# Altium PCB S7CAS-PLEIADES-CARTE-FILLE_P02.PcbDoc (part 3 of 3)
Units mil, origin at the board's own origin, x right, y up, seen from the top; angles counter-clockwise.
Board outline 3010 x 2715 mil, 10 copper layers (SIGNAL_TOP, GND, INNER_SIGNAL_3, GND (Plane2), 3V3, SPLIT_POWER, GND (Plane5), INNER_SIGNAL_8, GND (Plane6), SIGNAL_BOTTOM), stack 56.5 mil thick; 168 components, 138 nets, 887 pads, 482 vias.
Unrouted connection lines stored in the file: 10.
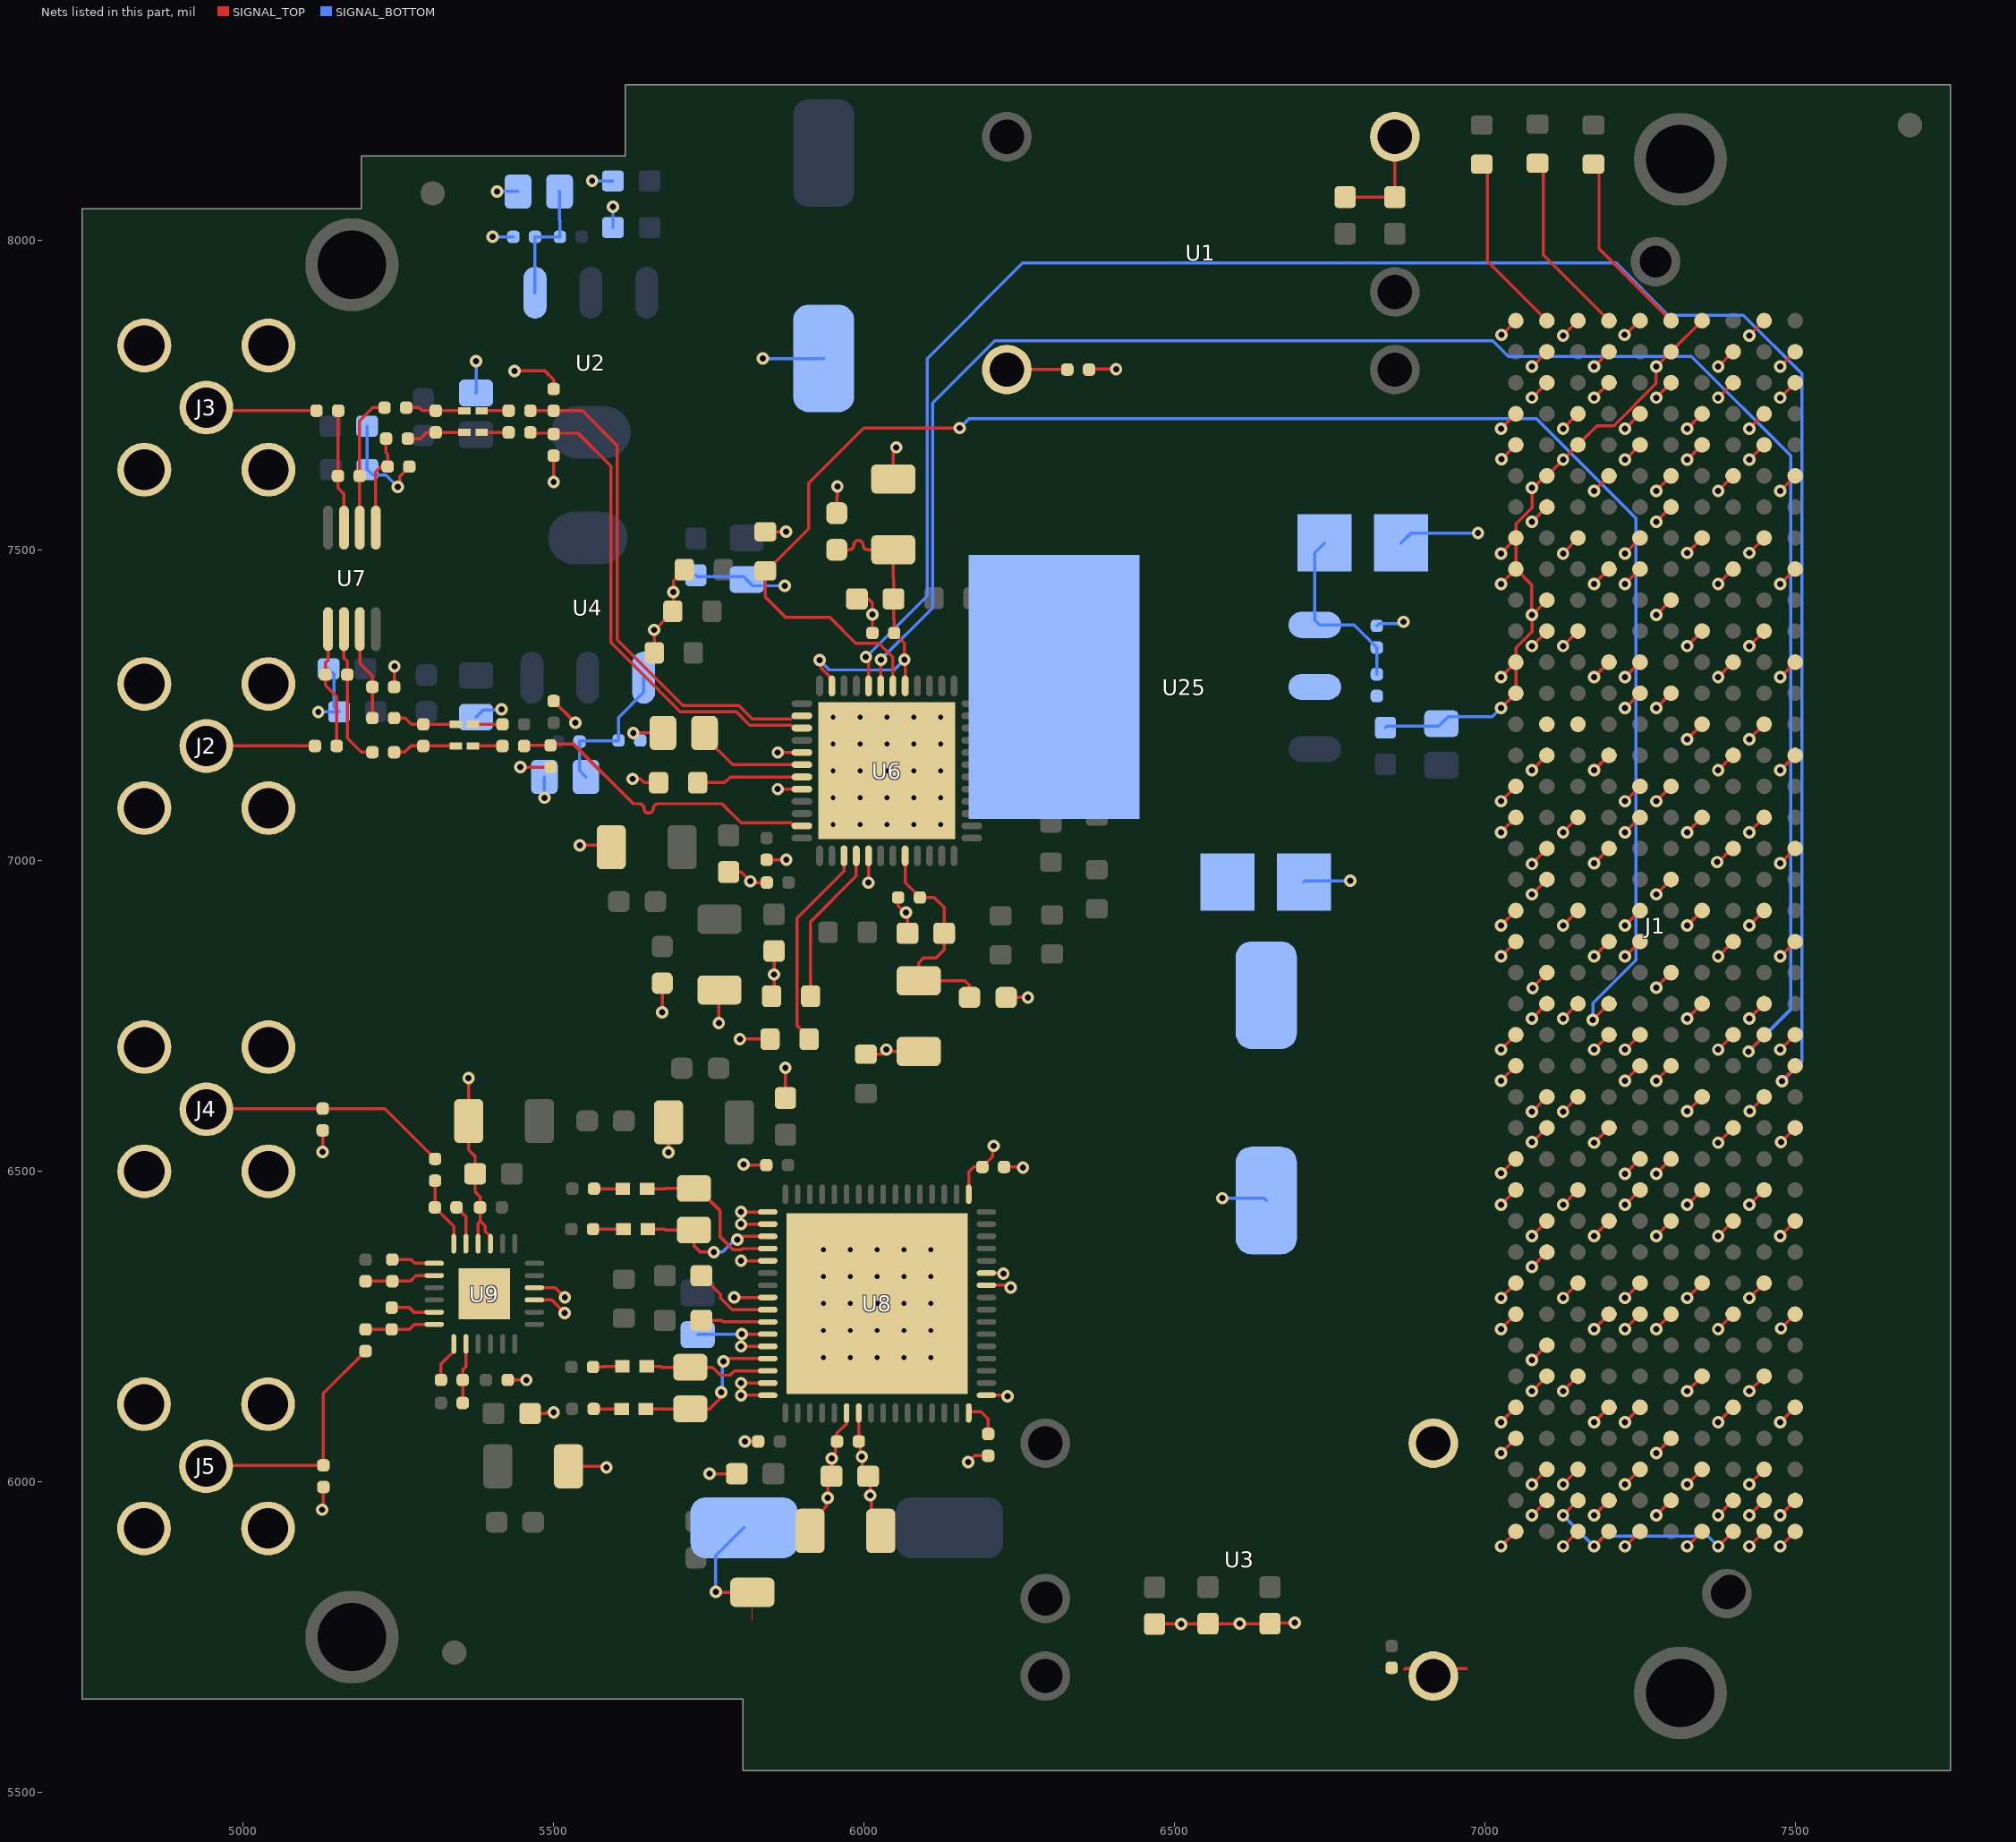
[diagram p11: the nets of this part, all layers, seen from the top]

## Via types
v1: diameter 20/20/20/20 (per signal layer), hole 10, SIGNAL_TOP to SIGNAL_BOTTOM, 426 vias
v2: diameter 19.68, hole 7.87, SIGNAL_TOP to SIGNAL_BOTTOM, 55 vias
v3: diameter 20, hole 10, SIGNAL_TOP to SIGNAL_BOTTOM, 1 vias

## Nets (pads, with @x,y where several pads share a name; then routed paths per layer and width w, separated by ;. In a path a pad name is that pad's centre, name@x,y a point inside that pad or via, vN(x,y) a via of type N, cw(c..) or ccw(c..) an arc to the next point about the centre after c; other vN are vias at no path point) (continued)
DAC_RAIL_I_P: R21.2 R33.1 U6.47 | length 521.3
  SIGNAL_TOP w5: R21.2@5452.5,7185 5453.5,7186 R33.1@5495,7186 5495,7187.89 5532.13,7187.89 5628.02,7092 5638.02,7092 cw(c5638.02,7084.5) 5645.52,7084.5 ccw(c5653.02,7084.5) 5660.52,7084.5 cw(c5668.02,7084.5) 5668.02,7092 5771.21,7092 5801.95,7061.26 5882.72,7061.26 5887.56,7056.42 U6.47@5899.88,7056.42
DAC_RAIL_Q_N: R40.2 R42.1 U6.39 | length 805.3
  SIGNAL_TOP w5: R40.2@5462.5,7690 5463.75,7688.75 5498.75,7688.75 R42.1@5500,7687.5 5505.34,7692.84 5509.43,7688.75 5539.25,7688.75 5592.42,7635.58 5592.42,7351.79 5704.21,7240 5794.34,7240 5815.6,7218.74 5882.72,7218.74 5887.56,7213.9 U6.39@5899.88,7213.9
DAC_RAIL_Q_P: R36.2 R43.1 U6.38 | length 828.1
  SIGNAL_TOP w5: R36.2@5462.5,7725 R43.1@5500,7725 5546,7725 5602.42,7668.58 5602.42,7355.93 5708.35,7250 5798.49,7250 5819.75,7228.74 5882.72,7228.74 5887.56,7233.58 U6.38@5899.88,7233.58
DAC_SCLK: J1.k25 U6.32 | length 3297.6
  SIGNAL_TOP w5: U6.32@6007.17,7281.81 6007.17,7320.07 6005.87,7321.36 6005.87,7322.7 v1@6007.17,7324 ; v1(7479,6645) 7479,6647 7500,6668 J1.k25@7500,6670
  SIGNAL_BOTTOM w5: v1(6003,7328.29) 6101.56,7426.86 6101.56,7808.87 6255.41,7962.72 7211.52,7962.72 7295.52,7878.72 7416.61,7878.72 7510.5,7784.83 7510.5,6676.5 v1(7479,6645)
DAC_SDIO: J1.j24 U6.31 | length 3015.8
  SIGNAL_TOP w5: U6.31@6027,7281.96 U6.31@6026.85,7281.81 6026.85,7323.85 v1(6027,7324) ; v1(7425,6693) 7425,6694 7450,6719 J1.j24@7450,6720
  SIGNAL_BOTTOM w5: v1(6027,7324) 6110.56,7407.56 6110.56,7737.55 6210.74,7837.72 7012.94,7837.72 7038.17,7812.5 7332.83,7812.5 7492.5,7652.83 7492.5,6760.5 v1(7425,6693)
DAC_TXENABLE: J1.d23 R25.2 U6.30 | length 2821
  SIGNAL_TOP w5: U6.30@6046.54,7281.81 6046.54,7327.8 6023.83,7350.5 5986.66,7350.5 5944.66,7392.5 5873.5,7392.5 5841,7425 R25.2@5841,7467 5843,7467 5911,7535 5911,7608.5 5999.5,7697 v1(6154,7697) ; v1(7174,6744) J1.d23@7200,6770
  SIGNAL_BOTTOM w5: v1(6154,7697) 6169.5,7712.5 7082.83,7712.5 7243.5,7551.83 7243.5,6840.17 7174,6770.67 v1(7174,6744)
DVDD18: C35.2 C36.2 C37.2 C38.2 C39.2 C40.2 L8.2 L9.2 U6.8 U6.29 U6.35 | length 908.3
  SIGNAL_TOP w5: v1(5928.43,7323.13) 5931.3,7320.26 5931.3,7309.85 5948.11,7293.03 U6.35@5948.11,7281.81 ; L9.2@5956,7501 5976,7501 ccw(c5976,7508.5) 5983.5,7508.5 cw(c5991,7508.5) 5998.5,7508.5 ccw(c6006,7508.5) 6006,7501 C38.2@6047,7501 6047,7455.85 6047.5,7455.35 C39.2@6047.5,7422 6047.5,7390 6048.5,7389 C40.2@6048.5,7367 6065,7350.5 v1(6065,7324) 6066.22,7322.78 U6.29@6066.22,7281.81 ; U6.8@6066.22,7008.19 6066.22,6964.78 C37.2@6090,6941 6113,6941 6129,6925 C36.2@6129,6883.44 6129,6857 6116,6844 6096,6844 6088,6836 C35.2@6088,6807 6162.06,6807 6170,6799.06 L8.2@6170,6780
  SIGNAL_BOTTOM w5: v1(5928.43,7323.13) 5944.05,7307.5 6048.5,7307.5 v1(6065,7324)
GND: C1.1 C2.1 C4.1 C5.1 C7.2 C8.1 C9.1 C10.1 C12.1 C14.1 C15.1 C16.1 C17.1 C18.1 C19.1 C20.1 C21.1 C22.1 C23.2 C24.1 C25.1 C28.1 C29.1 C30.1 C31.1 C32.1 C33.1 C34.1 C35.1 C36.1 C37.1 C38.1 C39.1 C40.1 C41.1 C42.1 C43.1 C47.1 C51.1 C52.1 C53.1 C54.1 C55.1 C56.1 C57.1 C58.1 C59.1 C60.1 C63.1 C64.1 C65.1 C66.1 C67.1 C68.1 C69.1 J1.a1 J1.a4 J1.a5 J1.a8 J1.a9 J1.a12 J1.a13 J1.a16 J1.a17 J1.a20 J1.a21 J1.a24 J1.a25 J1.a28 J1.a29 J1.a32 J1.a33 J1.a36 J1.a37 J1.a40 J1.b2 J1.b3 J1.b6 J1.b7 J1.b10 J1.b11 J1.b14 J1.b15 J1.b18 J1.b19 J1.b22 J1.b23 J1.b26 J1.b27 J1.b30 J1.b31 J1.b34 J1.b35 J1.b38 J1.b39 J1.c1 J1.c4 J1.c5 J1.c8 J1.c11 J1.c14 J1.c17 J1.c20 J1.c23 J1.c26 J1.c29 J1.c32 J1.c35 J1.c38 J1.c40 J1.d2 J1.d3 J1.d6 J1.d9 J1.d12 J1.d15 J1.d18 J1.d21 J1.d24 J1.d27 J1.d30 J1.d33 J1.d36 J1.d39 J1.e1 J1.e4 J1.e5 J1.e8 J1.e9 J1.e12 J1.e13 J1.e16 J1.e17 J1.e20 J1.e21 J1.e24 J1.e25 J1.e28 J1.e29 J1.e32 J1.e33 J1.e36 J1.e38 J1.e40 J1.f2 J1.f3 J1.f6 J1.f7 J1.f10 J1.f13 J1.f16 J1.f19 J1.f22 J1.f25 J1.f28 J1.f30 J1.f33 J1.f37 J1.f39 J1.g1 J1.g4 J1.g5 J1.g8 J1.g11 J1.g14 J1.g17 J1.g20 J1.g23 J1.g26 J1.g29 J1.g32 J1.g35 J1.g38 J1.g40 J1.h2 J1.h3 J1.h6 J1.h9 J1.h12 J1.h15 J1.h18 J1.h21 J1.h24 J1.h27 J1.h30 J1.h33 J1.h36 J1.h39 J1.j1 J1.j4 J1.j5 J1.j8 J1.j11 J1.j14 J1.j17 J1.j20 J1.j23 J1.j26 J1.j29 J1.j32 J1.j35 J1.j38 J1.j40 J1.k2 J1.k3 J1.k6 J1.k9 J1.k12 J1.k15 J1.k18 J1.k21 J1.k24 J1.k27 J1.k30 J1.k33 J1.k36 J1.k39 J2.2 J2.3 J2.4 J2.5 J3.2 J3.3 J3.4 J3.5 J4.2 J4.3 J4.4 J4.5 J5.2 J5.3 J5.4 J5.5 R5.1 R6.1 R9.1 R11.1 R17.1 R25.1 R26.1 R32.2 R33.2 R34.2 R42.2 R43.2 R45.2 R52.1 R53.1 R60.1 U1.1 U3.5 U6.5 U6.41 U6.44 U6.PAD U8.17 U8.18 U8.21 U8.24 U8.27 U8.28 U8.31 U8.32 U8.39 U8.49 U8.59 U8.PAD U9.15 U9.16 U9.21 U9.22 U9.PAD | length 10711.9
  SIGNAL_TOP w0: 5820,5776 C52.1@5820,5822
  SIGNAL_TOP w5: v1(5127,5955) 5129,5957 R60.1@5129,5991.5 ; v1(5128,6531) R52.1@5128,6566 ; R34.2@5243,7280 5243.25,7280.25 5243.25,7313.25 v1(5243.5,7313.5) ; v1(5249,7602) 5251.87,7604.87 5251.87,7619.37 R45.2@5267.5,7635 ; v1(5363,6650) C67.1@5363,6581 5363,6534.57 5373.5,6524.07 C68.1@5373.5,6496 5373.5,6466.73 5381.5,6458.73 C69.1@5381.5,6441.93 5382,6441.43 5382,6420 ; U9.22@5378.37,6383.42 5378.37,6416.37 5382,6420 ; U9.21@5398.06,6383.42 5398.06,6395.23 5389.75,6403.53 5389.75,6412.25 5382,6420 ; C66.1@5426,6164 v1(5456,6164) ; v1(5437,7789) 5486,7789 5500,7775 R43.2@5500,7760 ; v1(5446.36,7151) R33.2@5495,7151 ; C65.1@5462,6110 5487,6110 5489,6112 v1(5500,6112) ; U9.15@5468.92,6292.87 5496.75,6292.87 v1(5517.62,6272) ; U9.16@5468.92,6312.55 5502.45,6312.55 v1(5518,6297) ; R32.2@5500,7257.5 v1(5535,7222.5) ; v1(5500,7610) R42.2@5500,7652.5 ; C64.1@5524,6025 5583,6025 v1(5585,6023) ; v1(5542,7025) 5589.69,7025 C32.1@5592.69,7022 ; v1(5627,7132) 5640,7132 5646,7126 R17.1@5669,7126 ; v1(5628.31,7206) C25.1@5676,7206 ; v1(5685,6530.36) C55.1@5685,6579 ; v1(5751,6013) C53.1@5795,6013 ; v1(5761,5823) 5762,5822 C52.1@5820,5822 ; v1@5767,6739 5766,6740 5766,6791 C41.1@5767,6792 ; C33.1@5782,6982 5801.78,6982 v1(5816.78,6967) 5818.78,6965 C43.1@5843.5,6965 ; v1(5791,6297) 5791.16,6296.84 U8.24@5844.82,6296.84 ; v1(5801.9,6139.36) U8.32@5844.82,6139.36 ; v1(5801.9,6159.05) U8.31@5844.82,6159.05 ; v1(5801.9,6218.1) U8.28@5844.82,6218.1 ; v1(5801.9,6355.9) U8.21@5844.82,6355.9 ; v1(5801.9,6414.95) U8.18@5844.82,6414.95 ; v1(5801.9,6434.64) U8.17@5844.82,6434.64 ; v1(5803.21,6237.79) U8.27@5844.82,6237.79 ; v1(5806,6511) 5807,6510 C57.1@5842.5,6510 ; v1(5808,6065) C54.1@5829.5,6065 ; R25.1@5841,7530 v1(5874.5,7530) ; C34.1@5843.12,7001.73 v1(5874.73,7001.73) ; R26.1@5851,6782 5855,6786 v1(5855,6817) C42.1@5855,6855 ; v1(5861,7115.47) U6.44@5899.88,7115.47 ; v1(5861,7174.53) U6.41@5899.88,7174.53 ; C56.1@5873.36,6618 v1(5873.36,6666.64) ; C39.1@5988.5,7422 6007,7422 6013.5,7415.5 v1(6013.5,7397) C40.1@6013.5,7367 ; U8.39@5991.47,6110.82 C63.1@5991.5,6065 5994,6062.5 5994,6043 v1(5996.5,6040.5) 5997.04,6039.96 5997.04,6018.59 C59.1@6006.63,6009 6009.95,6005.68 v1(6009.95,5978.13) 6011.97,5976.11 6011.97,5936.03 C58.1@6027,5921 ; R53.1@6003,6688.5 6028.5,6688.5 v1(6036,6696) 6039,6693 C35.1@6088,6693 ; v1(6007.08,6964.86) 6007.17,6964.94 U6.5@6007.17,7008.19 ; C38.1@6047,7615 6047,7661 v1(6052,7666) ; C37.1@6055,6941 6055,6927.27 6070,6912.27 C36.1@6070,6883.44 ; v1(6168,6032) 6178,6042 C51.1@6200,6042 ; U8.49@6197.18,6139.36 6229.64,6139.36 v1(6231,6138) ; U8.59@6197.18,6336.21 6223.53,6336.21 v1(6224.4,6335.34) ; C60.1@6225.58,6507 6255,6507 v1(6256,6506) ; R5.1@6362.5,7791.22 6363.28,7792 v1(6406,7792) ; C14.1@6468,5771 v1(6511,5771) 6554,5771 6554.5,5771.5 v1(6605,5771.5) C16.1@6654,5771.5 6655.5,5773 v1(6694,5773) ; C4.1@6775,8069 C5.1@6855,8069 U1.1@6855,8166.22 ; v1(7026,5896) J1.a40@7050,5920 ; v1(7026,6046) J1.a37@7050,6070 ; v1(7026,6096) J1.a36@7050,6120 ; v1(7026,6246) J1.a33@7050,6270 ; v1(7026,6296) J1.a32@7050,6320 ; v1(7026,6446) J1.a29@7050,6470 ; v1@7026,6496.5 7049.5,6520 J1.a28@7050,6520 ; v1(7026,6646) J1.a25@7050,6670 ; v1(7026,6696) J1.a24@7050,6720 ; v1(7026,6846) J1.a21@7050,6870 ; v1(7026,6896) J1.a20@7050,6920 ; v1(7026,7046) J1.a17@7050,7070 ; v1(7026,7096) J1.a16@7050,7120 ; v1(7026,7246) J1.a13@7050,7270 J1.a12@7050,7320 ; v1(7026,7296) J1.a12@7050,7320 ; v1(7026,7446) J1.a9@7050,7470 ; v1(7026,7495) 7026,7495.5 J1.a8@7050,7519.5 ; v1(7026,7696) J1.a4@7050,7720 ; v1(7027,7647) J1.a5@7050,7670 ; v1(7027,7847) J1.a1@7050,7870 ; v1(7076,5946) J1.b39@7100,5970 ; v1(7076,5996) J1.b38@7100,6020 ; v1(7076,6146) J1.b35@7100,6170 ; v1(7076,6196) J1.b34@7100,6220 ; v1(7076,6346) J1.b31@7100,6370 ; v1(7076,6396) J1.b30@7100,6420 ; v1@7076,6546.5 7099.5,6570 J1.b27@7100,6570 ; v1(7076,6596) J1.b26@7100,6620 ; v1(7076,6746) J1.b23@7100,6770 ; v1(7076,6946) J1.b19@7100,6970 ; v1(7076,6995) 7076,6995.5 7100,7019.5 J1.b18@7100,7020 ; v1(7076,7146) J1.b15@7100,7170 ; v1(7076,7346) J1.b11@7100,7370 ; v1(7076,7546) J1.b7@7100,7570 ; v1(7076,7601) 7077.25,7602.25 v1@7079.75,7602.25 ; v1(7076,7746) J1.b3@7100,7770 ; v1(7076,7796) J1.b2@7100,7820 ; v1(7077,6795) 7077,6796 7100,6819 J1.b22@7100,6820 ; J1.b10@7100,7420 v1(7076,7396) ; v1(7126,5896) J1.c40@7150,5920 ; v1(7126,5996) J1.c38@7150,6020 ; v1(7126,6146) J1.c35@7150,6170 ; v1(7126,6296) J1.c32@7150,6320 ; v1(7126,6446) J1.c29@7150,6470 ; v1(7126,6596) J1.c26@7150,6620 ; v1(7126,6746) J1.c23@7150,6770 ; v1(7126,6896) J1.c20@7150,6920 ; v1(7126,7046) J1.c17@7150,7070 ; v1(7126,7346) J1.c11@7150,7370 ; v1(7126,7495) 7126,7495.5 7150,7519.5 J1.c8@7150,7520 ; v1(7126,7696) J1.c4@7150,7720 ; v1(7126,7846) J1.c1@7150,7870 ; v1(7176,5946) J1.d39@7200,5970 ; v1(7176,6096) J1.d36@7200,6120 ; v1(7176,6246) J1.d33@7200,6270 ; v1(7176,6396) J1.d30@7200,6420 ; v1(7176,6546) J1.d27@7200,6570 ; v1(7176,6696) J1.d24@7200,6720 ; v1(7176,6846) J1.d21@7200,6870 ; v1(7176,6996) J1.d18@7200,7020 ; v1(7176,7146) J1.d15@7200,7170 ; v1(7176,7296) J1.d12@7200,7320 ; v1(7176,7446) J1.d9@7200,7470 ; v1(7176,7596) J1.d6@7200,7620 ; v1(7176,7746) J1.d3@7200,7770 ; v1(7176,7796) J1.d2@7200,7820 ; v1(7225,7847) 7226,7847 7249,7870 J1.e1@7250,7870 ; v1(7226,5896) J1.e40@7250,5920 ; v1(7226,5996) J1.e38@7250,6020 ; v1(7226,6096) J1.e36@7250,6120 ; v1(7226,6246) J1.e33@7250,6270 ; v1(7226,6296) J1.e32@7250,6320 ; v1(7226,6446) J1.e29@7250,6470 ; v1(7226,6496) J1.e28@7250,6520 ; v1(7226,6646) J1.e25@7250,6670 ; v1(7226,6696) J1.e24@7250,6720 ; v1(7226,6846) J1.e21@7250,6870 ; v1(7226,6896) J1.e20@7250,6920 ; v1(7226,7046) J1.e17@7250,7070 ; v1(7226,7096) J1.e16@7250,7120 ; v1(7226,7246) J1.e13@7250,7270 ; v1(7226,7296) J1.e12@7250,7320 ; v1(7226,7446) J1.e9@7250,7470 ; v1(7226,7495) 7226,7495.5 7250,7519.5 J1.e8@7250,7520 ; v1(7226,7646) J1.e5@7250,7670 ; v1(7226,7696) J1.e4@7250,7720 ; v1(7276,5946) J1.f39@7300,5970 ; v1(7276,6046) J1.f37@7300,6070 ; v1(7276,6246) J1.f33@7300,6270 ; v1(7276,6396) J1.f30@7300,6420 ; v1(7276,6496) J1.f28@7300,6520 ; v1(7276,6646) J1.f25@7300,6670 ; v1(7276,6796) J1.f22@7300,6820 ; v1(7276,6946) J1.f19@7300,6970 ; v1(7276,7096) J1.f16@7300,7120 ; v1(7276,7246) J1.f13@7300,7270 ; v1(7276,7396) J1.f10@7300,7420 ; v1(7276,7546) J1.f7@7300,7570 ; v1(7276,7596) J1.f6@7300,7620 ; v1(7276,7746) J1.f3@7300,7770 ; v1(7326,5896) J1.g40@7350,5920 ; v1(7326,5996) J1.g38@7350,6020 ; v1(7326,6146) J1.g35@7350,6170 ; v1(7326,6296) J1.g32@7350,6320 ; v1(7326,6446) J1.g29@7350,6470 ; v1(7326,6597) 7327,6597 J1.g26@7350,6620 ; v1(7326,6746) J1.g23@7350,6770 ; v1(7326,6896) J1.g20@7350,6920 ; v1(7326,7046) J1.g17@7350,7070 ; v1(7326,7196) J1.g14@7350,7220 ; v1(7326,7346) J1.g11@7350,7370 ; v1(7326,7496) J1.g8@7350,7520 ; v1(7326,7646) J1.g5@7350,7670 ; v1(7326,7696) J1.g4@7350,7720 ; J1.g1@7350,7870 J1.f2@7300,7820 v1(7276,7796) 7276,7768.99 7207.91,7700.9 7180.9,7700.9 J1.c5@7150,7670 v1(7126,7646) J1.b6@7100,7620 7097.5,7620 v1@7079.75,7602.25 ; v1(7376,5946) J1.h39@7400,5970 ; v1(7376,6096) J1.h36@7400,6120 ; v1(7376,6246) J1.h33@7400,6270 ; v1(7376,6396) J1.h30@7400,6420 ; v1(7376,6546) J1.h27@7400,6570 ; v1(7376,6696) J1.h24@7400,6720 ; v1(7376,6846) J1.h21@7400,6870 ; v1@7376,6998 7398,7020 J1.h18@7400,7020 ; v1(7376,7146) J1.h15@7400,7170 ; v1(7376,7296) J1.h12@7400,7320 ; v1(7376,7446) J1.h9@7400,7470 ; v1(7376,7596) J1.h6@7400,7620 ; v1(7376,7746) J1.h3@7400,7770 ; v1(7376,7796) J1.h2@7400,7820 ; v1(7426,5896) J1.j40@7450,5920 ; v1(7426,5996) J1.j38@7450,6020 ; v1(7426,6146) J1.j35@7450,6170 ; v1(7426,6296) J1.j32@7450,6320 ; v1(7426,6446) J1.j29@7450,6470 ; v1(7426,6746) J1.j23@7450,6770 ; v1(7426,6896) J1.j20@7450,6920 ; v1(7426,7046) J1.j17@7450,7070 ; v1(7426,7196) J1.j14@7450,7220 ; v1(7426,7346) J1.j11@7450,7370 ; v1(7426,7496) J1.j8@7450,7520 ; v1(7426,7646) J1.j5@7450,7670 ; v1(7426,7696) J1.j4@7450,7720 ; v1(7426,7846) J1.j1@7450,7870 ; v1(7427,6597) J1.j26@7450,6620 ; v1(7476,5946) J1.k39@7500,5970 ; v1(7476,6096) J1.k36@7500,6120 ; v1(7476,6396) J1.k30@7500,6420 ; v1(7476,6696) J1.k24@7500,6720 ; v1(7476,6846) J1.k21@7500,6870 ; v1(7476,6996) J1.k18@7500,7020 ; v1(7476,7146) J1.k15@7500,7170 ; v1(7476,7296) J1.k12@7500,7320 ; v1(7476,7446) J1.k9@7500,7470 ; v1(7476,7596) J1.k6@7500,7620 ; v1(7476,7746) J1.k3@7500,7770 ; v1(7476,7796) J1.k2@7500,7820 ; v1(7477,6247) J1.k33@7500,6270 ; v1(7477,6547) J1.k27@7500,6570 ; J1.a12@7050,7320 7050,7342.99 7076,7368.99 v1(7076,7396) ; J1.a9@7050,7470 J1.a8@7050,7519.5 ; J1.a9@7050,7470 7075.84,7444.16 7075.84,7402.74 7076,7402.58 v1(7076,7396) ; J1.a8@7050,7519.5 J1.a8@7050,7520 7050,7542.99 7076,7568.99 7076,7598.5 v1@7079.75,7602.25
  SIGNAL_BOTTOM w5: v1(5120.89,7240) C30.1@5154.39,7240 5145.94,7248.44 5145.94,7300.56 C31.1@5137.5,7309 ; C29.1@5199.5,7700 5199.75,7699.75 5199.75,7630.25 C28.1@5200,7630 5208.55,7621.45 5229.55,7621.45 v1(5249,7602) ; C18.1@5375,7231.5 5386.77,7243.27 5415.27,7243.27 v1(5416,7244) ; C8.1@5375,7753.5 v1(5375,7805) ; v1(5401.5,8005) R6.1@5435,8005 ; v1(5409,8078) C9.1@5442.5,8078 ; v1(5485,7101.66) C19.1@5485,7135.16 ; v1(5562,8095) C2.1@5595.5,8095 ; C1.1@5595.5,8020 v1(5595.5,8053.5) ; C17.1@5729,7460 5731.5,7457.5 5806.5,7457.5 C12.1@5811,7453 5821,7443 v1(5872,7443) ; C47.1@5732,6237 5732.79,6237.79 v1(5803.21,6237.79) ; v1(5761,5823) 5761,5880.97 5806.03,5926 C10.1@5807,5926 ; v1(5837,7809) 5934.71,7809 C7.2@5935,7809.29 ; v1(6577,6456.72) 6644.29,6456.72 C23.2@6648,6453.01 ; C22.1@6708.61,6966 6710.61,6968 v1(6783,6968) ; R11.1@6826,7378.5 6829.63,7382.13 6866.13,7382.13 v1(6869,7385) ; C21.1@6840,7214.5 6842.25,7216.75 6925.75,7216.75 C20.1@6930,7221 6941.05,7232.05 7012.05,7232.05 v1(7026,7246) ; C24.1@6865.23,7512 6881.23,7528 v1(6989,7528)
  other v1: 7026,6497 7076,6547 5766,6739 6067.64,6917 7374,6998
  other v2: 5934.39,6200.39 5977.69,6200.39 6021,6200.39 6064.31,6200.39 6107.61,6200.39 5934.39,6243.69 5977.69,6243.69 6021,6243.69 6064.31,6243.69 6107.61,6243.69 5934.39,6287 5977.69,6287 6021,6287 6064.31,6287 6107.61,6287 5934.39,6330.31 5977.69,6330.31 6021,6330.31 6064.31,6330.31 6107.61,6330.31 5934.39,6373.61 5977.69,6373.61 6021,6373.61 6064.31,6373.61 6107.61,6373.61 5950.08,7058.39 5993.39,7058.39 6036.69,7058.39 6080,7058.39 6123.31,7058.39 5950.08,7101.69 5993.39,7101.69 6036.69,7101.69 6080,7101.69 6123.31,7101.69 5950.08,7145 5993.39,7145 6036.69,7145 6080,7145 6123.31,7145 5950.08,7188.31 5993.39,7188.31 6036.69,7188.31 6080,7188.31 6123.31,7188.31 5950.08,7231.61 5993.39,7231.61 6036.69,7231.61 6080,7231.61 6123.31,7231.61
NetC9_2: C9.2 R4.1 R6.2 U2.1 | length 203.2
  SIGNAL_BOTTOM w5: U2.1@5470,7915 R6.2@5470,8005 R4.1@5510,8005 5510,8032 5509.5,8032.5 C9.2@5509.5,8078
NetC19_2: C19.2 R7.1 R9.2 U4.1 | length 242.5
  SIGNAL_BOTTOM w5: C19.2@5552,7135.16 5541.7,7145.46 R7.1@5541.7,7192 5542.7,7193 5603.5,7193 R9.2@5604.5,7194 5604.5,7231 5645,7271.5 U4.1@5645,7295
NetC24_2: C24.2 R10.1 R11.2 U25.1 | length 292.1
  SIGNAL_BOTTOM w5: C24.2@6742,7512 6726,7496 6726,7388 6734,7380 6789.5,7380 R11.2@6826,7343.5 R10.1@6826,7300.5
NetC25_2: C25.2 U6.42 | length 181.6
  SIGNAL_TOP w5: C25.2@5743,7206 5743,7200 5788.16,7154.84 U6.42@5899.88,7154.84
NetC26_1: C26.1 L2.1 R28.2 | length 103.6
  SIGNAL_TOP w5: R28.2@5243,7230 5261,7230 5271,7220 C26.1@5290,7220 L2.1@5342.44,7220
NetC26_2: C26.2 L1.2 R22.2 | length 103.6
  SIGNAL_TOP w5: R22.2@5243,7175 5260,7175 5270,7185 C26.2@5290,7185 L1.2@5342.44,7185
NetC27_1: C27.1 L4.1 R41.2 | length 95.4
  SIGNAL_TOP w5: R41.2@5265,7680 5285,7680 5295,7690 C27.1@5310,7690 L4.1@5356.22,7690
NetC27_2: C27.2 L3.2 R37.2 | length 95.8
  SIGNAL_TOP w5: R37.2@5262.5,7730 5283,7730 5288,7725 L3.2@5356.22,7725
NetC44_1: C44.1 U8.25 | length 133
  SIGNAL_TOP w5: C44.1@5738,6332 5738.5,6332 5768.8,6301.7 5768.8,6295.86 5787.51,6277.16 U8.25@5844.82,6277.16
NetC45_1: C45.1 U8.26 | length 116.2
  SIGNAL_TOP w5: C45.1@5738,6260 C45.1@5741.36,6260 ; C45.1@5738,6263.36 C45.1@5741.36,6260 ; C45.1@5743.88,6257.47 C45.1@5741.36,6260 ; U8.26@5844.82,6257.47 5811,6257.47 5810.74,6257.74 5773,6257.74 5770.74,6260 C45.1@5741.36,6260
NetC46_1: C46.1 L12.1 U8.19 | length 233.9
  SIGNAL_TOP w5: L12.1@5651.69,6407 5679,6407 5680.5,6405.5 C46.1@5726,6405.5 5726,6380 5736,6370 v1(5758,6370) ; v1(5796,6390) 5800.06,6390 5805.33,6395.27 U8.19@5844.82,6395.27
  SIGNAL_BOTTOM w5: v1(5758,6370) 5772,6370 5792,6390 v1(5796,6390)
NetC46_2: C46.2 L11.2 U8.20 | length 261
  SIGNAL_TOP w5: L11.2@5650.69,6472 5680,6472 5680.5,6472.5 C46.2@5726,6472.5 ; C46.2@5725.5,6472 5732.5,6472 5768.4,6436.1 5768.4,6394.27 5789.17,6373.5 5802.83,6373.5 5804.92,6375.58 U8.20@5844.82,6375.58
NetC48_1: C48.1 L14.1 U8.29 | length 270.7
  SIGNAL_TOP w5: L14.1@5648.69,6117.39 5667,6117.39 5667.11,6117.5 C48.1@5720,6117.5 5751.62,6117.5 5768.31,6134.19 5768.31,6142.31 v1(5770,6144) ; C48.1@5719,6118.5 5720.03,6118.47 C48.1@5725.86,6123.95 ; v1(5773.5,6194) 5777.56,6194 5781.98,6198.42 U8.29@5844.82,6198.42
  SIGNAL_BOTTOM w5: v1(5770,6144) 5771.75,6145.75 5771.75,6192.25 v1(5773.5,6194)
NetC48_2: C48.2 L13.2 U8.30 | length 203.7
  SIGNAL_TOP w5: L13.2@5650.01,6186 5672,6186 5673.5,6184.5 C48.2@5720,6184.5 5756,6184.5 5768.87,6171.63 5784.32,6171.63 5791.43,6178.73 U8.30@5844.82,6178.73
NetJ1_B1: J1.b1 R1.1 | length 295.5
  SIGNAL_TOP w5: R1.1@6995,8122 7003.95,8113.05 7003.95,7966.05 J1.b1@7100,7870
NetJ2_1: J2.1 R23.1 | length 175
  SIGNAL_TOP w5: J2.1@4940.5,7185 R23.1@5115.5,7185
NetJ3_1: J3.1 R38.1 | length 179.6
  SIGNAL_TOP w5: J3.1@4940.5,7730 4945.5,7725 R38.1@5118,7725
NetJ4_1: J4.1 R50.2 R52.2 | length 402.5
  SIGNAL_TOP w5: J4.1@4940.5,6600 4941.5,6601 R52.2@5128,6601 5228,6601 R50.2@5309,6520
NetJ5_1: J5.1 R58.2 R60.2 | length 401.8
  SIGNAL_TOP w5: J5.1@4940,6025 4941.5,6026.5 R60.2@5129,6026.5 5129,6142.5 R58.2@5197,6210.5
NetL1_1: L1.1 R21.1 | length 47.5
  SIGNAL_TOP w5: L1.1@5370,7185 R21.1@5417.5,7185
NetL2_2: L2.2 R27.1 | length 47.5
  SIGNAL_TOP w5: L2.2@5370,7220 R27.1@5417.5,7220
NetL3_1: L3.1 R36.1 | length 43.7
  SIGNAL_TOP w5: L3.1@5383.78,7725 R36.1@5427.5,7725
NetL4_2: L4.2 R40.1 | length 43.7
  SIGNAL_TOP w5: L4.2@5383.78,7690 R40.1@5427.5,7690
NetL11_1: L11.1 R51.1 | length 46.3
  SIGNAL_TOP w5: R51.1@5565,6472 L11.1@5611.31,6472
NetL12_2: L12.2 R55.1 | length 48.8
  SIGNAL_TOP w5: R55.1@5563.5,6407 L12.2@5612.31,6407
NetL13_1: L13.1 R59.1 | length 47.6
  SIGNAL_TOP w5: R59.1@5563.5,6184.89 5579,6184.89 5580.11,6186 L13.1@5610.64,6186
NetL14_2: L14.2 R62.1 | length 44.8
  SIGNAL_TOP w5: R62.1@5564.5,6117.39 L14.2@5609.31,6117.39
NetR5_2: R5.2 U1.4 | length 97.5
  SIGNAL_TOP w5: U1.4@6230,7791.22 R5.2@6327.5,7791.22
NetR8_2: R8.2 U3.4 | length 99.3
  SIGNAL_TOP w5: 6871,5698.5 6871.57,5699.07 6917.03,5699.07 6969.93,5699.07 6970,5699
NetR15_1: R15.1 U6.3 | length 334.7
  SIGNAL_TOP w5: R15.1@5911.5,6713 5911.5,6715 5892,6734.5 5892,6908 5967.8,6983.8 U6.3@5967.8,7008.19
NetR17_2: R17.2 U6.43 | length 171.7
  SIGNAL_TOP w5: R17.2@5732,7126 5775.35,7126 5784.51,7135.16 U6.43@5899.88,7135.16
NetR18_1: R18.1 R23.2 U7.1 | length 197.5
  SIGNAL_TOP w5: U7.1@5136.61,7373.31 5136.61,7323.11 5132.5,7319 R18.1@5132.5,7300 5132.5,7282.5 5150.5,7264.5 R23.2@5150.5,7185
NetR18_2: R18.2 R22.1 U7.2 | length 227.8
  SIGNAL_TOP w5: U7.2@5162.2,7373.31 5162.2,7326.66 5167.5,7321.36 R18.2@5167.5,7300 5167.5,7197.5 5190,7175 R22.1@5208,7175
NetR26_2: R26.2 U6.4 | length 256.6
  SIGNAL_TOP w5: R26.2@5914,6782 5914,6902 5987.48,6975.48 U6.4@5987.48,7008.19
NetR28_1: R28.1 R34.1 U7.3 | length 151.7
  SIGNAL_TOP w5: U7.3@5187.8,7373.31 5187.8,7317.7 5208,7297.5 R34.1@5208,7280 R28.1@5208,7230
NetR30_1: R30.1 R38.2 U7.7 | length 192.5
  SIGNAL_TOP w5: R38.2@5153,7725 5152.75,7724.75 5152.75,7620.25 R30.1@5152.5,7620 5152.5,7600.5 5162.2,7590.8 U7.7@5162.2,7536.69
NetR30_2: R30.2 R37.1 U7.6 | length 220.8
  SIGNAL_TOP w5: U7.6@5187.8,7536.69 5187.5,7536.99 R30.2@5187.5,7620 5187.5,7708.5 5209,7730 R37.1@5227.5,7730
NetR41_1: R41.1 R45.1 U7.5 | length 158.4
  SIGNAL_TOP w5: U7.5@5213.39,7536.69 5213.39,7626.29 5222.1,7635 R45.1@5232.5,7635 5232.5,7655 5230,7657.5 R41.1@5230,7680
NetR49_1: R49.1 U9.23 | length 64.9
  SIGNAL_TOP w5: R49.1@5343.5,6442 5358.69,6426.81 U9.23@5358.69,6383.42
NetR49_2: R49.2 R50.1 U9.24 | length 114
  SIGNAL_TOP w5: R50.1@5309,6485 5309,6441.5 5339,6411.5 U9.24@5339,6383.42
NetR54_1: R54.1 U9.1 | length 70
  SIGNAL_TOP w5: R54.1@5240,6358 5270,6358 5276.08,6351.92 U9.1@5307.5,6351.92
NetR54_2: R54.2 R56.1 U9.2 | length 114.3
  SIGNAL_TOP w5: R56.1@5197,6323 R54.2@5240,6323 5269,6323 5278.24,6332.24 U9.2@5307.5,6332.24
NetR57_1: R57.1 U9.5 | length 71
  SIGNAL_TOP w5: R57.1@5239.5,6280.5 5267.5,6280.5 5274.82,6273.18 U9.5@5307.5,6273.18
NetR57_2: R57.2 R58.1 U9.6 | length 113.3
  SIGNAL_TOP w5: R58.1@5197.5,6245.5 R57.2@5239,6245.5 5267.5,6245.5 5275.5,6253.5 U9.6@5307.5,6253.5
NetR61_1: R61.1 U9.7 | length 66.5
  SIGNAL_TOP w5: R61.1@5318.5,6164 5318.5,6189.69 5339,6210.19 U9.7@5339,6222
NetR61_2: R61.2 R63.1 U9.8 | length 97.1
  SIGNAL_TOP w5: R63.1@5353.5,6127 R61.2@5353.5,6164 5353.5,6180.6 5358.69,6185.79 U9.8@5358.69,6222
PG_C2M: J1.f1 R2.1 | length 303.8
  SIGNAL_TOP w5: R2.1@7175,8122 7183.95,8113.05 7183.95,7986.05 J1.f1@7300,7870
PG_M2C: J1.d1 R3.1 | length 301.1
  SIGNAL_TOP w5: R3.1@7085,8123.5 7093.95,8114.55 7093.95,7976.05 J1.d1@7200,7870
VADJ: J1.c39 J1.d40 J1.h40 | length 386.2
  SIGNAL_TOP w5: v1(7126,5946) J1.c39@7150,5970 ; v1(7176,5896) J1.d40@7200,5920 ; v1(7376,5896) J1.h40@7400,5920
  SIGNAL_BOTTOM w5: v1(7126,5946) v1(7176,5896) 7192.5,5912.5 7359.5,5912.5 v1(7376,5896)
VIO_B_M2C: C22.2 C23.1 C51.2 C58.2 C59.2 C60.2 C63.2 J1.j39 J1.k40 L8.1 L9.1 L10.1 R10.2 R12.2 R13.2 R14.2 R15.2 U8.1 U8.38 U8.48 U8.58 U25.2 U25.4 | length 815.3
  SIGNAL_TOP w5: R14.2@5662,7335 v1(5662,7372) 5663,7372 5692,7401 R12.2@5692,7402 5692.87,7402.87 v1(5692.87,7433) 5692.87,7451.37 R13.2@5710.5,7469 ; v1(5675,6756) L10.1@5675,6803 ; v1(5799.86,6713) R15.2@5848.5,6713 ; C58.2@5913,5921 5913,5934.31 5938.81,5960.12 5938.81,5971.13 v1(5941.68,5974) 5941.68,6002.68 5948,6009 v1(5948,6037.5) 5948,6041.56 5953.94,6047.5 5953.94,6062.44 C63.2@5956.5,6065 5956.5,6078.5 5971.79,6093.79 U8.38@5971.79,6110.82 ; L9.1@5956,7560 5956,7585 5957,7586 v1(5957,7603) ; U8.48@6168.64,6110.82 6168.64,6111.06 6170.51,6112.93 6188.29,6112.93 6200,6101.22 C51.2@6200,6077 ; U8.1@6168.64,6463.18 6168.64,6499.14 6176.5,6507 C60.2@6190.58,6507 6207.08,6523.5 6207.08,6539.08 v1(6209,6541) ; U8.58@6197.18,6316.53 6232.47,6316.53 v1(6236,6313) ; L8.1@6229,6780 v1(6264,6780) ; v1(7426,5946) J1.j39@7450,5970 ; v1(7476,5896) J1.k40@7500,5920
pads on no net: FID1.0 FID2.0 FID3.0 FID4.0 FID5.0 FID6.0 J1.1 J1.2 J1.a2 J1.a3 J1.a6 J1.a7 J1.a10 J1.a11 J1.a14 J1.a15 J1.a18 J1.a19 J1.a22 J1.a23 J1.a26 J1.a27 J1.a30 J1.a31 J1.a34 J1.a35 J1.a38 J1.a39 J1.b4 J1.b5 J1.b8 J1.b9 J1.b12 J1.b13 J1.b16 J1.b17 J1.b20 J1.b21 J1.b24 J1.b25 J1.b28 J1.b29 J1.b32 J1.b33 J1.b36 J1.b37 J1.b40 J1.c2 J1.c3 J1.c6 J1.c7 J1.c9 J1.c10 J1.c12 J1.c13 J1.c15 J1.c16 J1.c18 J1.c19 J1.c27 J1.c28 J1.c30 J1.c31 J1.c33 J1.c34 J1.c36 J1.c37 J1.d4 J1.d5 J1.d7 J1.d8 J1.d10 J1.d11 J1.d13 J1.d14 J1.d16 J1.d17 J1.d19 J1.d20 J1.d28 J1.d29 J1.d31 J1.d32 J1.d34 J1.d35 J1.d37 J1.d38 J1.e2 J1.e3 J1.e6 J1.e7 J1.e26 J1.e27 J1.e30 J1.e31 J1.e34 J1.f4 J1.f5 J1.f23 J1.f24 J1.f26 J1.f27 J1.f29 J1.f31 J1.f32 J1.f34 J1.f35 J1.g27 J1.g28 J1.g30 J1.g31 J1.g33 J1.g34 J1.g36 J1.g37 J1.g39 J1.h1 J1.h28 J1.h29 J1.h31 J1.h32 J1.h34 J1.h35 J1.h37 J1.h38 J1.j6 J1.j7 J1.j9 J1.j10 J1.j12 J1.j13 J1.j15 J1.j16 J1.j18 J1.j19 J1.j21 J1.j22 J1.j27 J1.j28 J1.j30 J1.j31 J1.j33 J1.j34 J1.j36 J1.j37 J1.k1 J1.k7 J1.k8 J1.k10 J1.k11 J1.k13 J1.k14 J1.k16 J1.k17 J1.k19 J1.k20 J1.k22 J1.k23 J1.k29 J1.k31 J1.k32 J1.k34 J1.k35 J1.k37 J1.k38 MH1.1 MH2.1 MH3.1 MH4.1 MH5.1 MH6.1 U1.3 U3.3 U8.22 U8.64
copper on no net: | length 35.9
  SIGNAL_TOP w5: v1(7126,6546) 7150,6570 ; 7398,7870 7400,7870
  other v2: 5366.56,6281.06 5409.87,6281.06 5366.56,6324.36 5409.87,6324.36

## Polygon pours and split planes (outlines as drawn)
5P0V on SIGNAL_BOTTOM "SIGNAL_BOTTOM-5P0V" (solid, pour order 2): 5514,8030 5569,8030 5569,7981 5601,7949 5601,7846 5686,7761 5684,7759 5684,7625 5253,7625 5253,7720 5328,7720 5331,7720 5334,7720 5433,7720 5433,7762 5514,7843
3P3V on SIGNAL_BOTTOM "SIGNAL_BOTTOM-3P3V" (solid, pour order 14): 6669,7219 6670,7218 6796,7218 6796,7210 6820,7186 6980,7186 6980,7032 6977,7035 6672,7035 6672,7219
VIO_B_M2C on SIGNAL_BOTTOM "SIGNAL_BOTTOM-VIO_B_M2C" (solid, pour order 16): 6166,7502 6166,6671 6709,6671 6724,6671 6724,6893 6655,6893 6639,6909 6639,7239 6790,7239 6842.83,7247.97 6814.62,7314 6544,7314 6535,7323 6535,7507 6166,7507
5N0V on SIGNAL_BOTTOM "SIGNAL_BOTTOM-5N0V" (solid, pour order 6): 5262,7333 5272,7343 5490,7343 5490,7237 5525,7202 5525,7170 5445,7170 5436,7179 5436,7262 5268,7262 5262,7268
7N0V on SIGNAL_BOTTOM "7N0V_L10_P004" (solid, pour order 4): 5431,7596 5433,7598 5859,7598 5859,7487 5860,7486 5682,7486 5682,7460 5602,7380 5602,7237 5513,7237 5512,7236 5511,7237 5511,7442 5431,7522
7P0V on SIGNAL_BOTTOM "7P0V_L10_P000" (solid, pour order 0): 6028,7986 5847,7986 5708,7847 5628,7847 5628,8144 5725,8241 5727,8239 6024,8239 6027,8236 6028,8236
GND on GND (split plane): 7729.9,5555.1 5825.1,5555.1 5825.1,5650 5824.71,5653.92 5823.57,5657.69 5821.71,5661.17 5819.21,5664.21 5816.17,5666.71 5812.69,5668.57 5808.92,5669.71 5805,5670.1 4760.1,5670.1 4760.1,8029.9 5190,8029.9 5193.92,8030.29 5197.69,8031.43 5201.17,8033.29 5204.21,8035.79 5206.71,8038.83 5208.57,8042.31 5209.71,8046.08 5210.1,8050 5210.1,8114.9 5615,8114.9 5618.92,8115.29 5622.69,8116.43 5626.17,8118.29 5629.21,8120.79 5631.71,8123.83 5633.57,8127.31 5634.71,8131.08 5635.1,8135 5635.1,8229.9 7729.9,8229.9
GND on GND (Plane2) (split plane): 7729.9,5555.1 5825.1,5555.1 5825.1,5650 5824.71,5653.92 5823.57,5657.69 5821.71,5661.17 5819.21,5664.21 5816.17,5666.71 5812.69,5668.57 5808.92,5669.71 5805,5670.1 4760.1,5670.1 4760.1,8029.9 5190,8029.9 5193.92,8030.29 5197.69,8031.43 5201.17,8033.29 5204.21,8035.79 5206.71,8038.83 5208.57,8042.31 5209.71,8046.08 5210.1,8050 5210.1,8114.9 5615,8114.9 5618.92,8115.29 5622.69,8116.43 5626.17,8118.29 5629.21,8120.79 5631.71,8123.83 5633.57,8127.31 5634.71,8131.08 5635.1,8135 5635.1,8229.9 7729.9,8229.9
3P3V on 3V3 (split plane): 7729.9,5555.1 5825.1,5555.1 5825.1,5650 5824.71,5653.92 5823.57,5657.69 5821.71,5661.17 5819.21,5664.21 5816.17,5666.71 5812.69,5668.57 5808.92,5669.71 5805,5670.1 4760.1,5670.1 4760.1,8029.9 5190,8029.9 5193.92,8030.29 5197.69,8031.43 5201.17,8033.29 5204.21,8035.79 5206.71,8038.83 5208.57,8042.31 5209.71,8046.08 5210.1,8050 5210.1,8114.9 5615,8114.9 5618.92,8115.29 5622.69,8116.43 5626.17,8118.29 5629.21,8120.79 5631.71,8123.83 5633.57,8127.31 5634.71,8131.08 5635.1,8135 5635.1,8229.9 7729.9,8229.9
VIO_B_M2C on SPLIT_POWER (split plane): 7505.93,6786.76 7505.93,5905.07 7424.24,5905.07 7308.12,6021.19 7308.12,6267.63 7308.93,6269.13 7309.78,6271.96 7310.07,6274.9 7309.78,6277.84 7308.93,6280.67 7307.53,6283.28 7305.66,6285.56 7166.56,6424.66 7164.28,6426.53 7161.67,6427.93 7158.84,6428.78 7155.9,6429.07 6783,6429.07 6780.06,6428.78 6777.23,6427.93 6774.63,6426.53 6772.34,6424.66 6610,6262.32 6548.66,6323.66 6546.37,6325.53 6543.77,6326.93 6540.94,6327.78 6538,6328.07 6389,6328.07 6386.06,6327.78 6383.23,6326.93 6380.63,6325.53 6378.34,6323.66 6322.34,6267.66 6320.47,6265.37 6319.07,6262.77 6318.22,6259.94 6317.93,6257 6317.93,6186.24 6277.34,6145.66 6275.47,6143.37 6274.07,6140.77 6273.22,6137.94 6272.93,6135 6272.93,6034.66 6273.22,6031.72 6274.07,6028.89 6275.47,6026.28 6277.34,6024 6317.93,5983.41 6317.93,5955.24 6281.76,5919.07 5502.24,5919.07 5445.07,5976.24 5445.07,6252.9 5444.82,6255.45 5445.07,6258 5445.07,6924.76 5523.24,7002.93 5855,7002.93 5857.94,7003.22 5860.77,7004.07 5863.37,7005.47 5865.66,7007.34 5896.66,7038.34 5898.53,7040.63 5899.93,7043.23 5900.78,7046.06 5901.07,7049 5901.07,7233.25 5900.78,7236.19 5899.93,7239.02 5898.53,7241.62 5896.66,7243.91 5837.66,7302.91 5835.37,7304.78 5832.77,7306.18 5829.94,7307.03 5827,7307.32 5652.07,7307.32 5652.07,7450.01 5660.66,7458.59 5662.53,7460.88 5663.93,7463.48 5664.78,7466.31 5665.07,7469.25 5665.07,7474.83 5896.66,7706.41 5898.53,7708.7 5899.93,7711.3 5900.78,7714.13 5901.07,7717.07 5901.07,7775.98 6124.29,7775.98 6127.23,7776.27 6130.06,7777.12 6132.32,7778.33 6134.77,7779.07 6137.37,7780.47 6139.66,7782.34 6245.24,7887.93 6404.76,7887.93
7P0V on SPLIT_POWER (split plane): 6371.93,8057.24 6120.81,7806.12 5650.8,7806.12 5614.07,7842.85 5614.07,8114.9 5615,8114.9 5618.92,8115.29 5622.69,8116.43 5626.17,8118.29 5629.21,8120.79 5631.71,8123.83 5633.57,8127.31 5634.71,8131.08 5635.1,8135 5635.1,8229.9 6371.93,8229.9
12P0V on SPLIT_POWER (split plane): 7729.9,5555.1 7002.12,5555.1 7002.12,5765.02 7002.93,5766.52 7003.78,5769.35 7004.07,5772.29 7003.78,5775.23 7002.93,5778.06 7001.53,5780.66 6999.66,5782.95 6961.95,5820.66 6959.66,5822.53 6957.06,5823.93 6954.23,5824.78 6951.29,5825.07 6687.24,5825.07 6624.07,5888.24 6624.07,6233.76 6789.24,6398.93 7149.66,6398.93 7278.01,6270.57 7277.98,6270.19 7277.98,6014.95 7278.27,6012.01 7279.12,6009.18 7280.52,6006.58 7282.39,6004.29 7407.34,5879.34 7409.63,5877.47 7412.23,5876.07 7415.06,5875.22 7418,5874.93 7521,5874.93 7523.94,5875.22 7526.77,5876.07 7529.37,5877.47 7531.66,5879.34 7533.53,5881.63 7534.93,5884.23 7535.78,5887.06 7536.07,5890 7536.07,6793 7535.78,6795.94 7534.93,6798.77 7533.53,6801.37 7531.66,6803.66 6421.66,7913.66 6419.37,7915.53 6416.77,7916.93 6413.94,7917.78 6411,7918.07 6275.39,7918.07 6397.66,8040.34 6399.53,8042.63 6400.93,8045.23 6401.78,8048.06 6402.07,8051 6402.07,8229.9 7729.9,8229.9
5P0V on SPLIT_POWER (split plane): 5583.93,7844 5583.93,7836.6 5583.93,7613.24 5463.76,7493.07 5227.17,7493.07 5227.17,7856.85 5296.66,7926.34 5298.53,7928.63 5299.93,7931.23 5300.78,7934.06 5301.07,7937 5301.07,8114.9 5583.93,8114.9
5N0V on SPLIT_POWER (split plane): 5454.93,7363 5455.22,7360.06 5456.07,7357.23 5457.47,7354.63 5459.34,7352.34 5582.93,7228.76 5582.93,7161.07 5227.17,7161.07 5227.17,7462.93 5454.93,7462.93
7N0V on SPLIT_POWER (split plane): 155 vertices, not listed, extent 4760.1,5555.1 6972.01,8114.9
GND on GND (Plane5) (split plane): 7729.9,5555.1 5825.1,5555.1 5825.1,5650 5824.71,5653.92 5823.57,5657.69 5821.71,5661.17 5819.21,5664.21 5816.17,5666.71 5812.69,5668.57 5808.92,5669.71 5805,5670.1 4760.1,5670.1 4760.1,8029.9 5190,8029.9 5193.92,8030.29 5197.69,8031.43 5201.17,8033.29 5204.21,8035.79 5206.71,8038.83 5208.57,8042.31 5209.71,8046.08 5210.1,8050 5210.1,8114.9 5615,8114.9 5618.92,8115.29 5622.69,8116.43 5626.17,8118.29 5629.21,8120.79 5631.71,8123.83 5633.57,8127.31 5634.71,8131.08 5635.1,8135 5635.1,8229.9 7729.9,8229.9
GND on GND (Plane6) (split plane): 7729.9,5555.1 5825.1,5555.1 5825.1,5650 5824.71,5653.92 5823.57,5657.69 5821.71,5661.17 5819.21,5664.21 5816.17,5666.71 5812.69,5668.57 5808.92,5669.71 5805,5670.1 4760.1,5670.1 4760.1,8029.9 5190,8029.9 5193.92,8030.29 5197.69,8031.43 5201.17,8033.29 5204.21,8035.79 5206.71,8038.83 5208.57,8042.31 5209.71,8046.08 5210.1,8050 5210.1,8114.9 5615,8114.9 5618.92,8115.29 5622.69,8116.43 5626.17,8118.29 5629.21,8120.79 5631.71,8123.83 5633.57,8127.31 5634.71,8131.08 5635.1,8135 5635.1,8229.9 7729.9,8229.9

## Other copper
SIGNAL_BOTTOM:
  region net 7N0V: 6239,6110.45 6239,5987 6047,5987 6041,5981 6041,5866 6345,5866 6344,5867 6344,6110.81
SPLIT_POWER (plane layer: these items are gaps in the copper):
  lines w10: 5282,8120.79 5286,8116.79 ; 5598,8129 5599,8128 ; 6987,5531 6987.05,5531.05 ; 7485,5531 7498,5518
  lines w30: 5212.24,7478 5470,7478 ; 5286,8116.79 5286,7937 5212.1,7863.1 5212.1,7146 5598,7146 5598,7235 5470,7363 5470,7478 ; 5430,6252.9 5430,5970 5496,5904 6094,5904 6288,5904 6333,5949 6333,5989.66 6288,6034.66 6288,6135 6333,6180 6333,6257 6389,6313 6538,6313 6610,6241 6783,6414 7155.9,6414 7295,6274.9 ; 5430,6258 5430,6931 5517,7018 5855,7018 5886,7049 5886,7233.25 5827,7292.25 5637,7292.25 5637,7456.25 5650,7469.25 5650,7481.07 5886,7717.07 5886,7786 ; 5599,7844 5599,7607 5470,7478 ; 5599,8128 5599,7836.6 5644.56,7791.05 6124.29,7791.05 ; 6129,7793 6387,8051 6387,8251 ; 6242.9,7903 6411,7903 7521,6793 7521,5890 7418,5890 7293.05,6014.95 7293.05,6270.19 ; 6609,6242 6609,5882 6681,5810 6951.29,5810 6989,5772.29 ; 6987.05,5531.05 6987.05,5767.58

## Silkscreen, mask and mechanical layers (free items; w line width, h text height)
Outline:
  the board outline again, w10

## Text inside footprints (layer, text, board x,y; h text height)
C7: Drill Guide "Date : 2013-04-17" at 5622.01,7770.91 h31.5 r270; Drill Guide "Created by : Alexandre Gaudet" at 5686.97,7768.94 h31.5 r270; Drill Guide "Verified by : Alexandre Imbeault" at 5653.5,7769.92 h31.5 r270
C10: Drill Guide "Date : 2013-04-17" at 6176.09,5613.01 h31.5; Drill Guide "Created by : Alexandre Gaudet" at 6178.06,5677.97 h31.5; Drill Guide "Verified by : Alexandre Imbeault" at 6177.08,5644.5 h31.5
C23: Drill Guide "Date : 2013-04-17" at 6335.01,6414.63 h31.5 r270; Drill Guide "Created by : Alexandre Gaudet" at 6399.97,6412.66 h31.5 r270; Drill Guide "Verified by : Alexandre Imbeault" at 6366.5,6413.64 h31.5 r270
J1: Top Overlay "e" at 7262.92,8074.11 h39.37 r180; Top Overlay "d" at 7214.19,8075.67 h39.37 r180; Top Overlay "c" at 7160,8075 h39.37 r180; Top Overlay "b" at 7110,8075 h39.37 r180; Top Overlay "a" at 7060,8075 h39.37 r180; Top Overlay "f" at 7312.82,8080.67 h39.37 r180; Top Overlay "h" at 7415,8075 h39.37 r180; Top Overlay "g" at 7362.82,8070.67 h39.37 r180; Top Overlay "j" at 7462.82,8070.67 h39.37 r180; Top Overlay "k" at 7507.82,8075.67 h39.37 r180; Top Overlay "40" at 7555,5820 h39.37 r90; Top Overlay "1" at 7592.82,7895.67 h39.37 r180; Outline "a" at 7060,8075 h39.37 r180; Outline "b" at 7110,8075 h39.37 r180; Outline "c" at 7160,8075 h39.37 r180; Outline "d" at 7214.19,8075.67 h39.37 r180; Outline "e" at 7262.92,8074.11 h39.37 r180; Outline "f" at 7312.82,8080.67 h39.37 r180; Outline "h" at 7415,8075 h39.37 r180; Outline "g" at 7362.82,8070.67 h39.37 r180; Outline "j" at 7462.82,8070.67 h39.37 r180; Outline "k" at 7507.82,8075.67 h39.37 r180; Outline "40" at 7555,5820 h39.37 r90; Outline "1" at 7592.82,7895.67 h39.37 r180